# Altium PCB ANTS-DCU_RevB1.PCBDOC (part 2 of 3)
Units mm, origin at the board's own origin, x right, y up, seen from the top; angles counter-clockwise.
Board outline 195.05 x 85.05 mm, 2 copper layers (TopLayer, BottomLayer); 186 components, 183 nets, 986 pads, 355 vias.
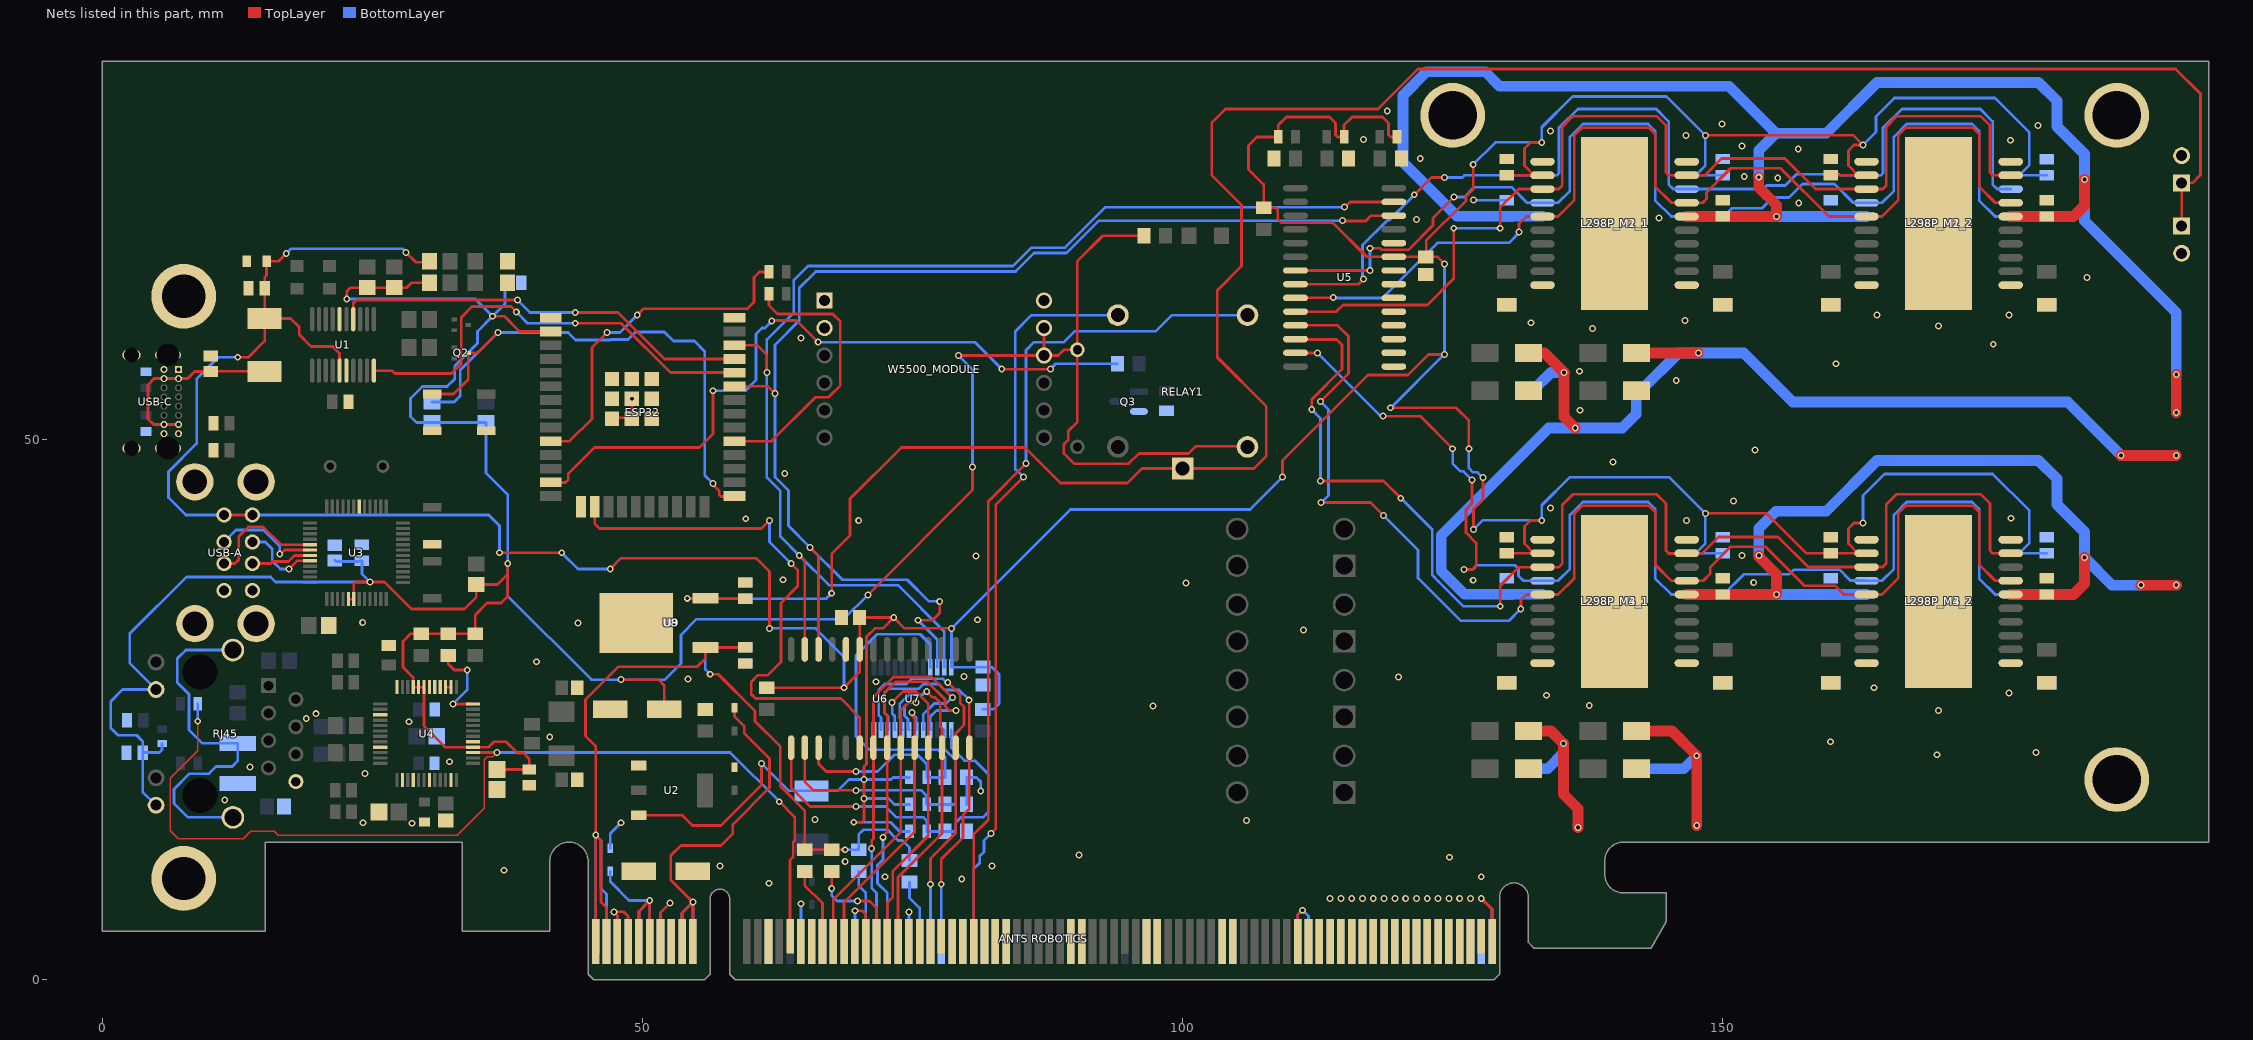
[diagram p2: the nets of this part, all layers, seen from the top]

## Part data (continued)
L298P_M1_1 L298P_M1_2 L298P_M2_1 L298P_M2_2 L298P_M3_1 L298P_M3_2 L298P_M4_1 L298P_M4_2: "Dual Full-Bridge Driver, 4.5 to 7 V, -25 to 130 degC, 20-Pin SOIC, RoHS, Tube", Case/Package=SOIC, Collector Emitter Voltage (VCEO)=46V, Manufacturer=STMicroelectronics, Max Collector Current=3A, Max Operating Temperature=130degC, Min Operating Temperature=-25degC, Min Supply Voltage=4.8V, Operating Supply Current=13mA, Output Current=2A, Package Description="20-Pin Small Outline Integrated Circuits, Body 15.9 x 11 mm, Pitch 1.27 mm", Package Quantity=31, Package Reference=PowerSO20, Supply Voltage=42V, Datasheet URL=http://www.st.com/content/ccc/resource/technical/document/datasheet/82/cc/3f/39/0a/29/4d/f0/CD00000240.pdf/files/CD00000240.pdf/jcr:content/translations/en.CD00000240.pdf, Datasheet Version=36526.0, Height=3.3mm, Lead Free=LeadFree, Length=16mm, Manufacturer URL=http://www.st.com/, Max Output Current=3A, Max Supply Voltage=46V, Mount=SurfaceMount, Number of Channels=2, Number of Pins=20, Output Current per Channel=2A, Packaging=Rail/Tube, Radiation Hardening=No, RoHSCompliant=true, Width=11.1mm
Q1 Q2: library part CMP-1048-00417-1, "General Purpose Transistor, NPN Silicon, 3-Pin SC-75, Pb-Free, Tape and Reel", Manufacturer="On Semiconductor", ComponentLink1Description="Manufacturer URL", ComponentLink1URL=http://www.onsemi.com/, ComponentLink2Description=Datasheet, ComponentLink2URL=http://www.onsemi.cn/pub_link/Collateral/MMBT2222ATT1-D.PDF, ComponentLink3Description="Package Specification", ComponentLink3URL=http://www.onsemi.com/pub_link/Collateral/463-01.PDF, DatasheetVersion="Rev. 5", fT Min (MHz)=300, IC Continuous (A)=0.6, Mounting Technology="Surface Mount", PackageDescription="3-Pin Small Outline Transistor, Body 1.6 x 0.8 mm, Pitch 0.5 mm", PackageReference=SC-75-3-463-01, PackageVersion="Rev. F, 07/2005", Packing="Tape and Reel", PartNumber=MMBT2222ATT1G, Polarity=NPN, RoHS=TRUE
Q3: library part CMP-12798-000050-1, "TRANS NPN 40V 0.6A SMD SOT23-3", Case/Package=SOT-23, Collector Base Voltage (VCBO)=75V, Collector Emitter Breakdown Voltage=40V, Collector Emitter Saturation Voltage=1V, Continuous Collector Current=600mA, Current=1A, Emitter Base Voltage (VEBO)=6V, Frequency=300MHz, Max Operating Temperature=150°C, Max Power Dissipation=300mW, Min Operating Temperature=-55°C, Package Quantity=3000, Power Dissipation=350mW, Collector Emitter Voltage (VCEO)=40V, Contact Plating=Tin, Current Rating=600mA, Element Configuration=Single, Gain Bandwidth Product=300MHz, Height=1mm, hFE Min=100, Lead Free="Lead Free", Length=3.05mm, Max Breakdown Voltage=40V, Max Collector Current=600mA, Max Frequency=300MHz, Mount="Surface Mount", Number of Elements=1, Number of Pins=3, Packaging="Tape and Reel", Polarity=NPN, Radiation Hardening=No, REACH SVHC="No SVHC", Termination=SMD/SMT, Transition Frequency=300MHz, Voltage=40V, Voltage Rating (DC)=40V, Weight=0.000282oz, Width=1.4mm
R1 R2 R3 R4 R8 R9 R12 R13 R14: library part CMP-2001-00590-1, Manufacturer=Panasonic, Part Number=ERA6AEB123V
R15 R79 R80 R81 R82: library part CMP-2100-03673-1, "Chip Resistor, 0 Ohm, Jumper, +/- 5%, 0.125 W, -55 to 155 degC, 0805 (2012 Metric), RoHS, Tape and Reel", Case Code (Imperial)=0805, Case Code (Metric)=2012, Manufacturer=Yageo, Max Operating Temperature=155degC, Min Operating Temperature=-55degC, Package Description="2-Pin Surface Mounted Device, Body 2 x 1.25 mm", Power Rating=125mW, Resistance=0mOhm, Temperature Coefficient=200ppm/degreesC, Tolerance=5%, Voltage Rating=150V, Case/Package=0805, Composition=ThickFilm, Contact Plating=Tin, Datasheet URL=http://www.yageo.com/NewPortal/yageodocoutput?fileName=/pdf/R-Chip/PYu-RC_Group_51_RoHS_L_5.pdf, Datasheet Version="Rev. 5, 10/2016", Depth=1.25mm, Height=0.5mm, Lead Free=LeadFree, Length=2mm, Manufacturer URL=http://www.yageo.com/, Military Standard=Not, Number of Pins=2, Package Reference=0805, Packaging=TapeandReel, Radiation Hardening=No, REACH SVHC=Unknown, RoHSCompliant=true, Termination=SMD/SMT, Voltage Rating (DC)=150V, Width=1.25mm
R16 R17: library part CMP-2000-06960-1, "Chip Resistor, 330 Ohm, +/- 1%, 125 mW, -55 to 155 degC, 0805 (2012 Metric), RoHS, Tape and Reel", Case Code - in=0805, Case Code - mm=2012, Manufacturer=Yageo, Operating Temperature Range=-55Cto+155C, Package Description="2-Pin Surface Mounted Device, Body 2 x 1.25 mm", Power Rating=125mW(1/8W), Resistance=330Ohms, Temperature Coefficient=100PPM/C, Tolerance=1%, Voltage Rating=150V, Datasheet URL=http://www.yageo.com/documents/recent/PYu-RC_Group_51_RoHS_L_7.pdf, Datasheet Version="Rev. 7, 05/2017", Manufacturer URL=http://www.yageo.com/, Mounting Technology=SurfaceMount, Package Reference=0805, Packaging=Reel, Product=ThickFilmResistorsGeneralPurpose, Series=RC, Termination Style=SMD/SMT
R18 R19 R20 R21: library part CMP-2001-00841-1, Manufacturer=Panasonic, Part Number=ERA6AEB49R9V
R22 R23 R24 R25: library part CMP-2001-00462-1, Manufacturer=Panasonic, Part Number=ERJ-6RQF3R3V
R26: library part CMP-2001-04378-5, "Chip Resistor, 1000 KOhm, +/- 1%, 0.125 W, -55 to 155 degC, 0805 (2012 Metric), RoHS, Tape and Reel", Manufacturer=Panasonic, Max Operating Temperature="155 degC", Min Operating Temperature="-55 degC", Package Quantity=5000, Voltage Rating="150 V", ComponentLink1Description="Manufacturer URL", ComponentLink1URL=http://www.panasonic.com/, ComponentLink2Description=Datasheet, ComponentLink2URL=http://industrial.panasonic.com/cdbs/www-data/pdf/RDA0000/AOA0000C86.pdf, DatasheetVersion=04/2015, Height="0.6 mm", Length="2 mm", Mount="Surface Mount", Mounting Technology="Surface Mount", PackageDescription="2-Pin Surface Mount Device, Body 2 x 1.25 mm", PackageReference=0805, Packaging="Tape and Reel", Pins=2, REACH SVHC=Yes, RoHSCompliant=true
R27 R28 R29: library part CMP-1568-00001-1, "General Puprose Chip Resistor, 4700 Ohm +/- 1%, 0.125 W, -55 to 155 degC, 2-Pin SMD, RoHS, Tape and Reel", PartNumber=RC0805FR-074K7L, Power="0.125 W", Resistance="4700 Ohm", Temperature Max="155 degC", Temperature Min="-55 degC", Tolerance="+/- 1%", ComponentLink1Description="Manufacturer URL", ComponentLink1URL=http://www.yageo.com/NewPortal/_en/index.jsp, ComponentLink2Description=Datasheet, ComponentLink2URL=http://www.yageo.com/documents/recent/PYu-RC_Group_51_RoHS_L-3.pdf, DatasheetVersion="Rev. 3", Mounting Technology="Surface Mount", PackageDescription="2-Pin Surface Mount Device, Body 2 x 1.25 mm", Packing="Tape and Reel", RoHS=TRUE
R30: library part CMP-2001-00911-1, Manufacturer=Yageo, Part Number=RC0805FR-0712K4L
R31 R32 R33 R34 R35 R36 R37 R38 R39: library part CMP-2000-05025-1, "Chip Resistor, 10 KOhm, +/- 5%, 0.125 W, -55 to 155 degC, 0805 (2012 Metric), RoHS, Tape and Reel", Manufacturer=Yageo, Package Description="2-Pin Surface Mounted Device, Body 2 x 1.25 mm", Package Reference=805, Power Rating=250mW, Resistance=10kohm, Resistance Tolerance=±5%, Resistor Case Style=0805[2012Metric], Resistor Element Type=ThickFilm, Temperature Coefficient=±100ppm/degC, Voltage Rating=150V, Automotive Qualification Standard=-, Datasheet URL=http://www.yageo.ru/pdf/RC0805.pdf, Datasheet Version="REV. 2, 09/2004", Manufacturer URL=http://www.yageo.com/, MSL=MSL1-Unlimited, Packaging=CutTape, Product Range=RCSeries, SVHC=ToBeAdvised
R40 R41 R42 R43 R44 R45 R46 R47 R48 R49 R50 R51 R52 R53 R54 R55: library part CMP-2003-04042-1, Manufacturer=Yageo, Part Number=RL1206JR-070R15L
R72 R73: library part CMP-2100-03671-1, "Chip Resistor, 1 KOhm, +/- 1%, 125 mW, -55 to 155 degC, 0805 (2012 Metric), RoHS, Tape and Reel", Case Code (Imperial)=0805, Case Code (Metric)=2012, Manufacturer=Yageo, Max Operating Temperature=155degC, Max Power Dissipation=125mW, Min Operating Temperature=-55degC, Package Description="2-Pin Surface Mounted Device, Body 2 x 1.25 mm", Package Quantity=1, Resistance=1KOhm, Temperature Coefficient=100ppm/degreesC, Tolerance=1%, Voltage Rating=150V, Case/Package=0805, Composition=ThickFilm, Datasheet URL=http://www.yageo.com/NewPortal/yageodocoutput?fileName=/pdf/R-Chip/PYu-RC_Group_51_RoHS_L_5.pdf, Datasheet Version="Rev. 5, 10/2016", Depth=1.25mm, Height=0.024inch, Lead Free=LeadFree, Length=0.079inch, Manufacturer URL=http://www.yageo.com/, Military Standard=Not, Number of Pins=2, Number of Terminations=2, Package Reference=0805, Packaging=TapeandReel, Power Rating=125mW, REACH SVHC=Unknown, RoHSCompliant=true, Termination=SMD/SMT, Voltage Rating (DC)=150V, Width=0.049inch
R74: library part CMP-1659-00013-4, "Chip Resistor, 10 KOhm, +/- 1%, 0.125 W, -55 to 155 degC, 0805 (2012 Metric), RoHS, Tape and Reel", Manufacturer=Yageo, Max Operating Temperature="155 degC", Min Operating Temperature="-55 degC", Package Quantity=5000, Voltage Rating="150 V", ComponentLink1Description="Manufacturer URL", ComponentLink1URL=http://www.yageo.com/, ComponentLink2Description=Datasheet, ComponentLink2URL=http://www.yageo.com/documents/recent/PYu-RC_Group_51_RoHS_L_04.pdf, DatasheetVersion="Rev. 4, 02/2016", Height="0.5 mm", Length="2 mm", Mount="Surface Mount", Mounting Technology="Surface Mount", PackageDescription="2-Pin Surface Mounted Device, Body 2 x 1.25 mm", PackageReference=0805, Packaging="Tape and Reel", Pins=2, REACH SVHC="No SVHC", RoHSCompliant=true
RELAY1: library part CMP-08822-000008-1, "RELAY GEN PURPOSE SPDT 10A 5V", Ambient Temperature Range High=+85°C, Ambient Temperature Range Low=-25°C, Coil Current=79.4mA, Coil Power=400mW, Coil Resistance=63Ω, Coil Voltage=5V, Current Rating=10A, Manufacturer=Omron, Manufacturer Part Number=G5LE-14-DC5, Package=0, Temperature="-25°C to +85°C", Automotive=No, Category=Relay, Coil Type=Non-Latching, ComponentLink2Description=Datasheet, ComponentLink2URL=https://omronfs.omron.com/en_US/ecb/products/pdf/en-g5le.pdf, Device Class L1=Electromechanical, Device Class L2=Relays, Device Class L3="Power Relays", Digikey Description="RELAY GEN PURPOSE SPDT 10A 5V", Height=19mm, Lead Free=Yes, Mouser Description="General Purpose Relays Power PCB Relay SPDT Sealed 5VDC", Number Of Contacts=1, Octopart=https://octopart.com/g5le-14-dc5-omron-28829, RoHS=TRUE, Standoff Height=0.5mm, Switching Current=10A, Temperature Range High=+85°C, Temperature Range Low=-25°C, Throw Configuration=SPDT
RJ45: library part CMP-2000-07059-1, "1 Port RJ45 Magjack Connector with Yellow and Green LED, 10/100 Base-T, 12-Pin THD, RoHS, Tray", Manufacturer="Bel Fuse", Package Description="12-Pin Through Hole Device, Body 21.59 x 16.13 mm", Connector Type=RJ45, Contact Material=CopperAlloy, Contact Plating=Gold, Datasheet URL=http://belfuse.com/pdfs/SI-60062-F.pdf, Datasheet Version="Rev. B0, 09/2008", Depth=21.59mm, Gender=Female, Length=15.21mm, Manufacturer URL=http://belfuse.com/, Mounting Technology=ThroughHole, Mounting Type=ThroughHole, Number of Ways=8P4C, Orientation=Straight, Package Reference=SI-60062-F, Series=MagJack, Shield Type=STP, Width=17.98mm
Rusb1 Rusb2: library part CMP-2000-04091-1, Manufacturer=Yageo, Part Number=RC0603FR-075K1L
U1: library part CMP-0248-00024-3, "IC USB SERIAL FULL UART 20SSOP", Case/Package=SSOP, Max Operating Temperature=85°C, Max Supply Voltage=5.5V, Min Operating Temperature=-40°C, Min Supply Voltage=2.97V, Operating Supply Current=8mA, Operating Supply Voltage=5V, Package Quantity=2000, Data Rate=12Mbps, Height=0.059inch, Interface=UART, Length=8.74mm, Mount="Surface Mount", Number of Channels=1, Number of Pins=20, Packaging="Tape and Reel", Radiation Hardening=No, Weight=0.016oz, Width=0.157inch
U2: library part CMP-0062-01638-4, "800mA Low-Dropout Linear Regulator, 4-pin SOT-223, Pb-Free", Manufacturer="Texas Instruments", PackageTopMarking=XYTT*N05A, PowerWise=N, Code_IPC=SOT223-4, Code_JEDEC=TO-261-AA, ComponentLink1Description="Datasheet URL", ComponentLink1URL=http://www.ti.com/general/docs/lit/getliterature.tsp?genericPartNumber=LM1117-N&fileType=pdf, CompType="LDO IC", High-Reliability=Y, PackageDescription="Molded SOT-223, 6.50 x 3.56 x 1.6mm Body, 4 Lead, 2.3mm Pitch", PackageReference=DCY0004A, PartNumber=LM1117MP-3.3/NOPB, PinCount=4, RoHS=Y
U3: "DUAL USB-HOST 2.0"
U4: "W5500 10/100 ETHERNET"
U5 U6: library part CMP-0186-00161-2, "16-Bit I/O Expander with Serial Interface, 28-Pin SOIC, Extended Temperature", Code_JEDEC=MS-013, ComponentLink1Description="Manufacturer URL", ComponentLink1URL=http://www.microchip.com/, ComponentLink2Description=Datasheet, ComponentLink2URL=http://ww1.microchip.com/downloads/en/DeviceDoc/21952b.pdf, ComponentLink3Description="Package Specification", ComponentLink3URL=http://www.microchip.com/stellent/groups/techpub_sg/documents/packagingspec/en012702.pdf, DatasheetVersion="revB, Feb-2007", PackageDescription="28-Lead Plastic Small Outline (SO) - Wide 7.50mm Body [SOIC]", PackageReference=SOIC-SO28, PackageVersion="revBB, Aug-2009", RevisionNote="URLs added."
U7: library part CMP-04892-000002-1, "IC I2C SW 8CH W/RESET 24TSSOP", Ambient Temperature Range High=+85°C, Ambient Temperature Range Low=-40°C, Manufacturer="Texas Instruments", Max Supply Voltage=5.5V, Min Supply Voltage=1.65V, Nominal Supply Current=2-50uA, Package=PW0024A, Temperature="-40°C to +85°C", Automotive=No, Category=IC, ComponentLink2Description=Datasheet, ComponentLink2URL=http://www.ti.com/lit/ds/symlink/tca9548a.pdf, Device Class L1="Integrated Circuits (ICs)", Device Class L2="Interface ICs", Device Class L3=Multiplexers, Digikey Description="IC I2C SW 8CH W/RESET 24TSSOP", Height=1.2mm, Interface=I2C,SMBus, Ipc Land Pattern Name=SOP65P640X120-24, Lead Free=Yes, Manufacturer Part Number=TCA9548APWR, Mouser Description="Low-Voltage 8-Channel I2C Switch With Reset 24-TSSOP -40 to 85", Mux Demux Ratio=1:8, Number Of Circuits=1, Octopart=https://octopart.com/tca9548apwr-texas+instruments-22266789, RoHS=TRUE, Standoff Height=0.05mm, Temperature Range High=+85°C, Temperature Range Low=-40°C
U8: library part CMP-0244-00186-1, "Precision 500mA Regulator, 12V, 3-Pin DPAK, Tape and Reel", ComponentLink1Description="Manufacturer URL", ComponentLink1URL=http://www.st.com, ComponentLink2Description=Datasheet, ComponentLink2URL=http://www.st.com/internet/com/TECHNICAL_RESOURCES/TECHNICAL_LITERATURE/DATASHEET/CD00000448.pdf, DatasheetVersion=1/11/2010, PackageDescription="3-Pin Transistor Outline Package 2.28 mm Pitch, 9.7 mm Lead Span (DPAK)", PackageReference=TO-252, PackageVersion=2011
U9: library part CMP-0244-00178-1, "Positive Voltage Regulator, 5V, 3-Pin DPAK, Tape and Reel", ComponentLink1Description="Manufacturer URL", ComponentLink1URL=http://www.st.com, ComponentLink2Description=Datasheet, ComponentLink2URL=http://www.st.com/internet/com/TECHNICAL_RESOURCES/TECHNICAL_LITERATURE/DATASHEET/CD00000447.pdf, DatasheetVersion=1/11/2010, PackageDescription="3-Pin Transistor Outline Package 2.28 mm Pitch, 9.7 mm Lead Span (DPAK)", PackageReference=TO-252, PackageVersion=2011
USB-A: library part CMP-1502-03229-1, "USB 2.0 Type A Receptacle WR-COM, Stacked Horizontal, THT", Contact Resistance=20mOhm, Manufacturer="Wurth Elektronik", Operating Temperature=-40to105degC, Rated Current=1.5A, Working Voltage=30VAC, Connector Type=USB2.0TypeA, Datasheet URL=https://katalog.we-online.de/em/datasheet/61400826021.pdf, Gender=Receptacle, Manufacturer URL=http://www.we-online.de, Mounting Technology=THT, Orientation=StackedHorizontal, Package Reference=61400826021, Packaging=Tray, Part Number=61400826021, Publisher=WurthElektronik
USB-C: library part CMP-196119-000001-1, "CONN RCPT USB2.0 TYPEC 16POS", Current Rating=4.25A, Manufacturer="Global Connector Technology", Package=0, Temperature="-40°C to +85°C", Temperature Range High=+85°C, Temperature Range Low=-40°C, Voltage Rating=20V, Automotive=No, Category=Conn, ComponentLink2Description=Datasheet, ComponentLink2URL=https://gct.co/files/drawings/usb4085.pdf, Conn Orientation="Right Angle", Contact Material=Gold,Nickel, Device Class L1=Connectors, Device Class L2="USB Connectors", Device Class L3=unset, Digikey Description="CONN RCPT USB2.0 TYPEC 16POS", Height=3.66mm, Is Female=yes, Lead Free=Yes, Manufacturer Part Number=USB4085-GF-A, Number Of Contacts=16, Octopart=https://octopart.com/usb4085-gf-a-global+connector+technology-94773699, Pitch=0.85mm, RoHS=TRUE, Shielding=true, Usb Standard="USB 2.0"
Y2: library part CMP-2000-05729-1, "Miniature Ceramic Crystal, 25 MHz, +/- 20 ppm, -20 to 70 degC, 2-Pin SMD, RoHS, Tape and Reel", Case Height=1.3mm, Case Length=5mm, Case Width=3.2mm, Frequency=25MHz, Frequency Stability=50PPM, Load Capacitance=18pF, Manufacturer=ABRACON, Operating Temperature Range=-20Cto+70C, Package / Case=5mmx3.2mm, Package Description="2-Pin Surface Mount Device, Body 5 x 3.2 mm", Package Reference=ABM3, Tolerance=20PPM, Brand=ABRACON, Datasheet URL=http://www.abracon.com/Resonators/abm3.pdf, Datasheet Version=09/2013, Dimensions=3.2mmWx5mmLx1.3mmH, ESR=30Ohms, Factory Pack Quantity=1000, Manufacturer URL=http://www.abracon.com/, Mounting Style=SMD/SMT, Mounting Technology=SurfaceMount, Packaging=Reel, Product Category=Crystals, RoHS=Details, Series=ABM3, Termination Style=SMD/SMT, Type=MiniatureCeramicCrystal
Y2-NC: library part CMP-1749-00004-1, "Resistance Weld Thru-Hole Crystal, 12 MHz, +/-30 ppm, -20 to 70 degC, 2-Pin THD, RoHS, Bulk", Case\Package=TO-251-3, Input Capacitance="350 pF", Max Operating Temperature="150 degC", Max Power Dissipation="2.5 W", Min Operating Temperature="-55 degC", Package Quantity=70, ComponentLink1Description="Manufacturer URL", ComponentLink1URL=http://www.foxonline.com/, ComponentLink2Description=Datasheet, ComponentLink2URL=http://www.foxonline.com/pdfs/hc49slf.pdf, DatasheetVersion=Mar-15, Elements=1, Height="6.1 mm", Length="6.6 mm", Mount="Through Hole", PackageDescription="2-Pin Through Hole Device, Body 11.35 x 4.65 mm, Pitch 4.88 mm", PackageReference=FOXSLF-2, Packaging=Rail/Tube, Pins=3, Radiation Hardening=No, Rds On Max="115 mohm", REACH SVHC="No SVHC", RoHSCompliant=true, Typical Rise Time="90 ns", Width="2.3 mm"

## Free pads (board coordinates)
  round 6 hole 4: 9(7.5,9.35) 9(7.5,63.25)
  round 6 hole 4.5: FAN(125,80) FAN(186.5,18.5) FAN(186.5,80)

## Via types
v1: diameter 0.635, hole 0.356, TopLayer to BottomLayer, 355 vias

## Nets (pads, with @x,y where several pads share a name; then routed paths per layer and width w, separated by ;. In a path a pad name is that pad's centre, name@x,y a point inside that pad or via, vN(x,y) a via of type N, cw(c..) or ccw(c..) an arc to the next point about the centre after c; other vN are vias at no path point)
3V3_DIGITAL: "ANTS ROBOTICS.A9" "ANTS ROBOTICS.A10" "ANTS ROBOTICS.B9" "ANTS ROBOTICS.B10" D66.2 | length 41.6
  TopLayer w0.254: 53.65,3.5 53.65,6.15 v1(54.65,7.15) ; 54.65,3.5 v1(54.65,7.15) ; D66.2@58.5,25.14 58.5,24.35 59.4,23.45 59.4,22.8 61.75,20.45 61.75,17.75 58.35,14.35 58.35,13.5 57.25,12.4 53.55,12.4 52.6,11.45 52.6,9.188 54.638,7.15 v1(54.65,7.15)
  BottomLayer w0.254: 53.65,3.5 53.65,6.15 v1(54.65,7.15) 54.65,3.5
5V_DIGITAL: "ANTS ROBOTICS.A5" "ANTS ROBOTICS.A6" "ANTS ROBOTICS.B5" "ANTS ROBOTICS.B6" D68.2 | length 21.4
  TopLayer w0.254: 49.65,3.5 49.65,6.3 v1(50.65,7.3) 50.65,3.5
  BottomLayer w0.254: D68.2@47,10 47,9.05 48.75,7.3 v1(50.65,7.3) ; 49.65,3.5 49.65,6.3 v1(50.65,7.3) ; 50.65,3.5 v1(50.65,7.3)
+3V3: C6.1 C7.1 C12.1 C13.2 C27.1 C28.2 C31.1 D67.1 D100.2 ESP32.2 L1.1 R3.1 R4.1 R8.2 R12.2 R13.2 R14.2 R15.2 R27.2 R28.2 R29.2 R72.1 RELAY1.2 RJ45.10 RJ45.12 U3.41 U3.42 U4.28 U4.43 U4.44 U4.45 W5500_MODULE.10 W5500_MODULE.11 | length 316.7
  TopLayer w0.254: v1(22.6,63) 22.6,63.7 22.95,64.05 R3.1@24.5,64.05 R4.1@27,64.05 28.15,64.05 28.6,64.5 R8.2@30.25,64.5 ; U3.41@22.75,35.2 U3.42@23.25,35.2 23.25,36.65 23.4,36.8 v1(24.75,36.8) ; v1@24.822,36.872 v1(24.75,36.8) ; v1(36.1,61.4) 37.2,61.4 38.61,59.99 ESP32.2@41.5,59.99 ; C28.2@36.5,19.425 36.502,19.427 C27.1@39.5,19.427 39.5,20.4 38.95,20.95 38.4,20.95 37.35,22 36.25,22 35.75,21.5 U4.28@34.3,21.5 31.7,21.5 29.75,23.45 U4.43@29.75,27.05 U4.44@29.25,27.05 U4.45@28.75,27.05 28.75,27.95 27.8,28.9 27.8,31.3 28.5,32 R29.2@29.5,32 R27.2@32,32 R28.2@34.5,32 34.5,33.75 35.6,34.85 36.9,34.85 37.5,35.45 37.5,37.5 ; v1(37.5,38.5) 37.5,37.5 ; v1(48,27.75) 51.45,27.75 52,27.2 C6.1@52,25 ; v1(70.85,35.6) 80.55,45.3 v1(80.55,47.45) ; v1(79.25,57.75) 79.26,57.76 87.15,57.76 W5500_MODULE.10@87.16,57.77 ; W5500_MODULE.11@87.16,60.31 W5500_MODULE.10@87.16,57.77 ; R72.1@96.4,68.85 92.6,68.85 90.25,66.5 D100.2@90.25,58.3 ; RELAY1.2@106,49.3 105.8,49.3 105.75,49.35 101.2,49.35 100.55,48.7 95.95,48.7 95,47.75 89.95,47.75 89,48.7 89,49.55 89.4,49.95 89.4,50.75 90.25,51.6 D100.2@90.25,58.3 ; v1(24.75,36.8) 26.1,36.8 28.6,34.3 33.5,34.3 34.6,35.4 R14.2@34.6,36.55 36.55,36.55 37.5,37.5 ; W5500_MODULE.10@87.16,57.77 88.47,57.77 89,58.3 D100.2@90.25,58.3
  BottomLayer w0.254: RJ45.12@4.94,16.125 3.7,17.365 C31.1@3.7,21 ; L1.1@5.5,21.835 5.5,21.25 5.25,21 C31.1@3.7,21 ; C13.2@21.5,38.8 21.6,38.7 23.7,38.7 23.75,38.75 C12.1@24,38.75 24,37.55 v1@24.65,36.9 ; v1(22.6,63) 34.5,63 v1(36.1,61.4) ; v1(24.75,36.8) v1@24.65,36.9 ; C7.1@37.25,64.5 37.25,62.55 v1(36.1,61.4) ; v1(70.85,35.6) 68.6,33.35 55,33.35 53.55,31.9 53.55,29.25 52.05,27.75 v1(48,27.75) 45.25,27.75 37.5,35.5 v1(37.5,38.5) 37.5,44.9 35.5,46.9 R12.2@35.5,51.55 R13.2@30.5,51.55 29.05,51.55 28.5,52.1 28.5,53.8 29.6,54.9 31.9,54.9 32.6,55.6 32.6,56.8 34.7,58.9 34.7,60 v1(36.1,61.4) ; v1(79.25,57.75) 80.55,56.45 v1(80.55,47.45) ; C31.1@3.7,21 3.7,22.05 3.15,22.6 1.4,22.6 0.75,23.25 0.75,25.75 1.835,26.835 RJ45.10@4.94,26.835 2.5,29.275 2.5,32 7.75,37.25 15.55,37.25 16,36.8 24.574,36.8 24.65,36.876 v1@24.65,36.9
+5_USB_IN: C1.1 F-USB.1 USB-C.A4 USB-C.A9 USB-C.B4 USB-C.B9 | length 17.5
  TopLayer w0.254: USB-C.A9@7.025,51.375 USB-C.B4@5.675,51.375 4.725,51.375 4.2,51.9 4.2,55.05 4.775,55.625 USB-C.B9@5.675,55.625 USB-C.A4@7.025,55.625 7.875,55.625 8.524,56.274 C1.1@10,56.274 10.026,56.3 14.975,56.3 F-USB.1@15,56.275
+5V: C2.1 C3.1 C5.1 C33.1 C34.1 C35.1 C37.1 C39.1 C41.1 C43.1 C45.1 C47.1 C49.1 C51.1 CTRL-A0.2 CTRL-A1.2 CTRL-A2.2 D68.1 ENC_A0.2 ENC_A1.2 ENC_A2.2 F-USB2.2 F-USB.2 L298P_M1_1.12 L298P_M1_2.12 L298P_M2_1.12 L298P_M2_2.12 L298P_M3_1.12 L298P_M3_2.12 L298P_M4_1.12 L298P_M4_2.12 R9.2 R31.1 R35.1 R39.2 U1.15 U2.3 U5.9 U6.9 U7.24 USB-A.1 USB-A.5 | length 559.7
  TopLayer w0.254: USB-A.5@11.24,43 USB-A.1@13.86,43 ; v1(12.5,57.6) 13.5,57.6 15,59.1 F-USB.2@15,61.177 ; v1(17,67.2) 16.3,66.5 C3.1@15.175,66.5 15.175,65.175 15,65 C2.1@15,64 F-USB.2@15,61.177 ; U1.15@21.933,56.375 21.933,57.967 21.3,58.6 19.3,58.6 18.2,59.7 18.2,60.4 17.4,61.2 15.3,61.2 15.277,61.177 F-USB.2@15,61.177 ; v1(28.1,67.3) 29,66.4 30.1,66.4 30.2,66.5 R9.2@30.25,66.5 ; v1(36.75,39.5) v1(42.5,39.5) ; v1(47,38) 48,39 60.5,39 61.75,37.75 v1(61.75,32.5) ; U2.3@49.625,15.2 53.65,15.2 54.6,14.25 57.25,14.25 61,18 v1(61,20) ; R35.1@61.5,27 v1(68.65,27) 70.095,28.445 U6.9@70.095,30.55 70.095,33.481 C34.1@70.076,33.5 v1(73.25,33.5) ; v1(69.55,14.55) 70.3,14.55 70.5,14.75 v1(70.5,16.75) v1(70.5,18.5) 70.5,19.7 70.723,19.923 70.723,31.723 71.5,32.5 72.25,32.5 v1(73.25,33.5) ; v1(78.6,32.5) 74.25,32.5 v1(73.25,33.5) ; v1(109.25,46.5) 109.25,48.05 117.15,55.95 120.85,55.95 122.75,57.85 v1(124.25,57.85) ; v1(119.25,52.928) 125.322,52.928 126.5,51.75 v1(126.5,49.128) ; CTRL-A2.2@119.85,78 119.25,78 119.05,78.2 119.05,79.3 118.5,79.85 115.7,79.85 114.95,79.1 CTRL-A1.2@114.95,78 114.35,78 114.15,78.2 114.15,79.3 113.6,79.85 109.6,79.85 108.85,79.1 CTRL-A0.2@108.85,78 106.9,78 106.1,77.2 106.1,75 107.5,73.6 R31.1@107.5,71.445 108.605,71.445 108.8,71.25 108.8,70.4 109.112,70.088 113.863,70.088 117.045,66.905 U5.9@119.55,66.905 C33.1@122.5,66.905 ; v1(124.25,66.25) 123.6,66.9 123.05,66.9 123.045,66.905 C33.1@122.5,66.905 ; v1(126.9,75.45) 126.9,73.146 126.23,72.476 126.23,72.08 122.55,68.4 122.55,67.35 122.5,67.3 C33.1@122.5,66.905 ; v1(126.929,41.65) 126.929,43.536 127.817,44.425 v1(127.817,46.483) ; C45.1@130.005,39.445 L298P_M3_1.12@132.55,39.445 ; C41.1@130.005,74.445 L298P_M2_1.12@132.55,74.445 ; v1(133.25,42.5) 132.2,42.5 131.65,41.95 131.65,40.345 L298P_M3_1.12@132.55,39.445 ; v1(133.25,77.5) 132.2,77.5 131.65,76.95 131.65,75.345 L298P_M2_1.12@132.55,74.445 ; L298P_M3_1.12@133.325,39.445 L298P_M3_1.12@132.55,39.445 ; L298P_M2_1.12@133.325,74.445 L298P_M2_1.12@132.55,74.445 ; v1(148.4,43.15) 154.05,43.15 157.75,39.45 C47.1@160,39.45 ; v1(148.4,78.15) 162.1,78.15 v1(163,77.25) 162.15,77.25 161.65,76.75 161.65,75.345 L298P_M2_2.12@162.55,74.445 ; C43.1@160,74.45 160.005,74.445 L298P_M2_2.12@162.55,74.445 ; C47.1@160.005,39.445 L298P_M3_2.12@162.55,39.445 ; v1(163,42.25) 162.15,42.25 161.65,41.75 161.65,40.345 L298P_M3_2.12@162.55,39.445 ; L298P_M3_2.12@163.325,39.445 L298P_M3_2.12@162.55,39.445 ; L298P_M2_2.12@163.325,74.445 L298P_M2_2.12@162.55,74.445